# Altium PCB PcbBoard_last3.PcbDoc
Units mm, origin at the board's own origin, x right, y up, seen from the top; angles counter-clockwise.
Board outline 110 x 110 mm, 2 copper layers (Top Layer, Bottom Layer); 42 components, 38 nets, 215 pads, 81 vias.
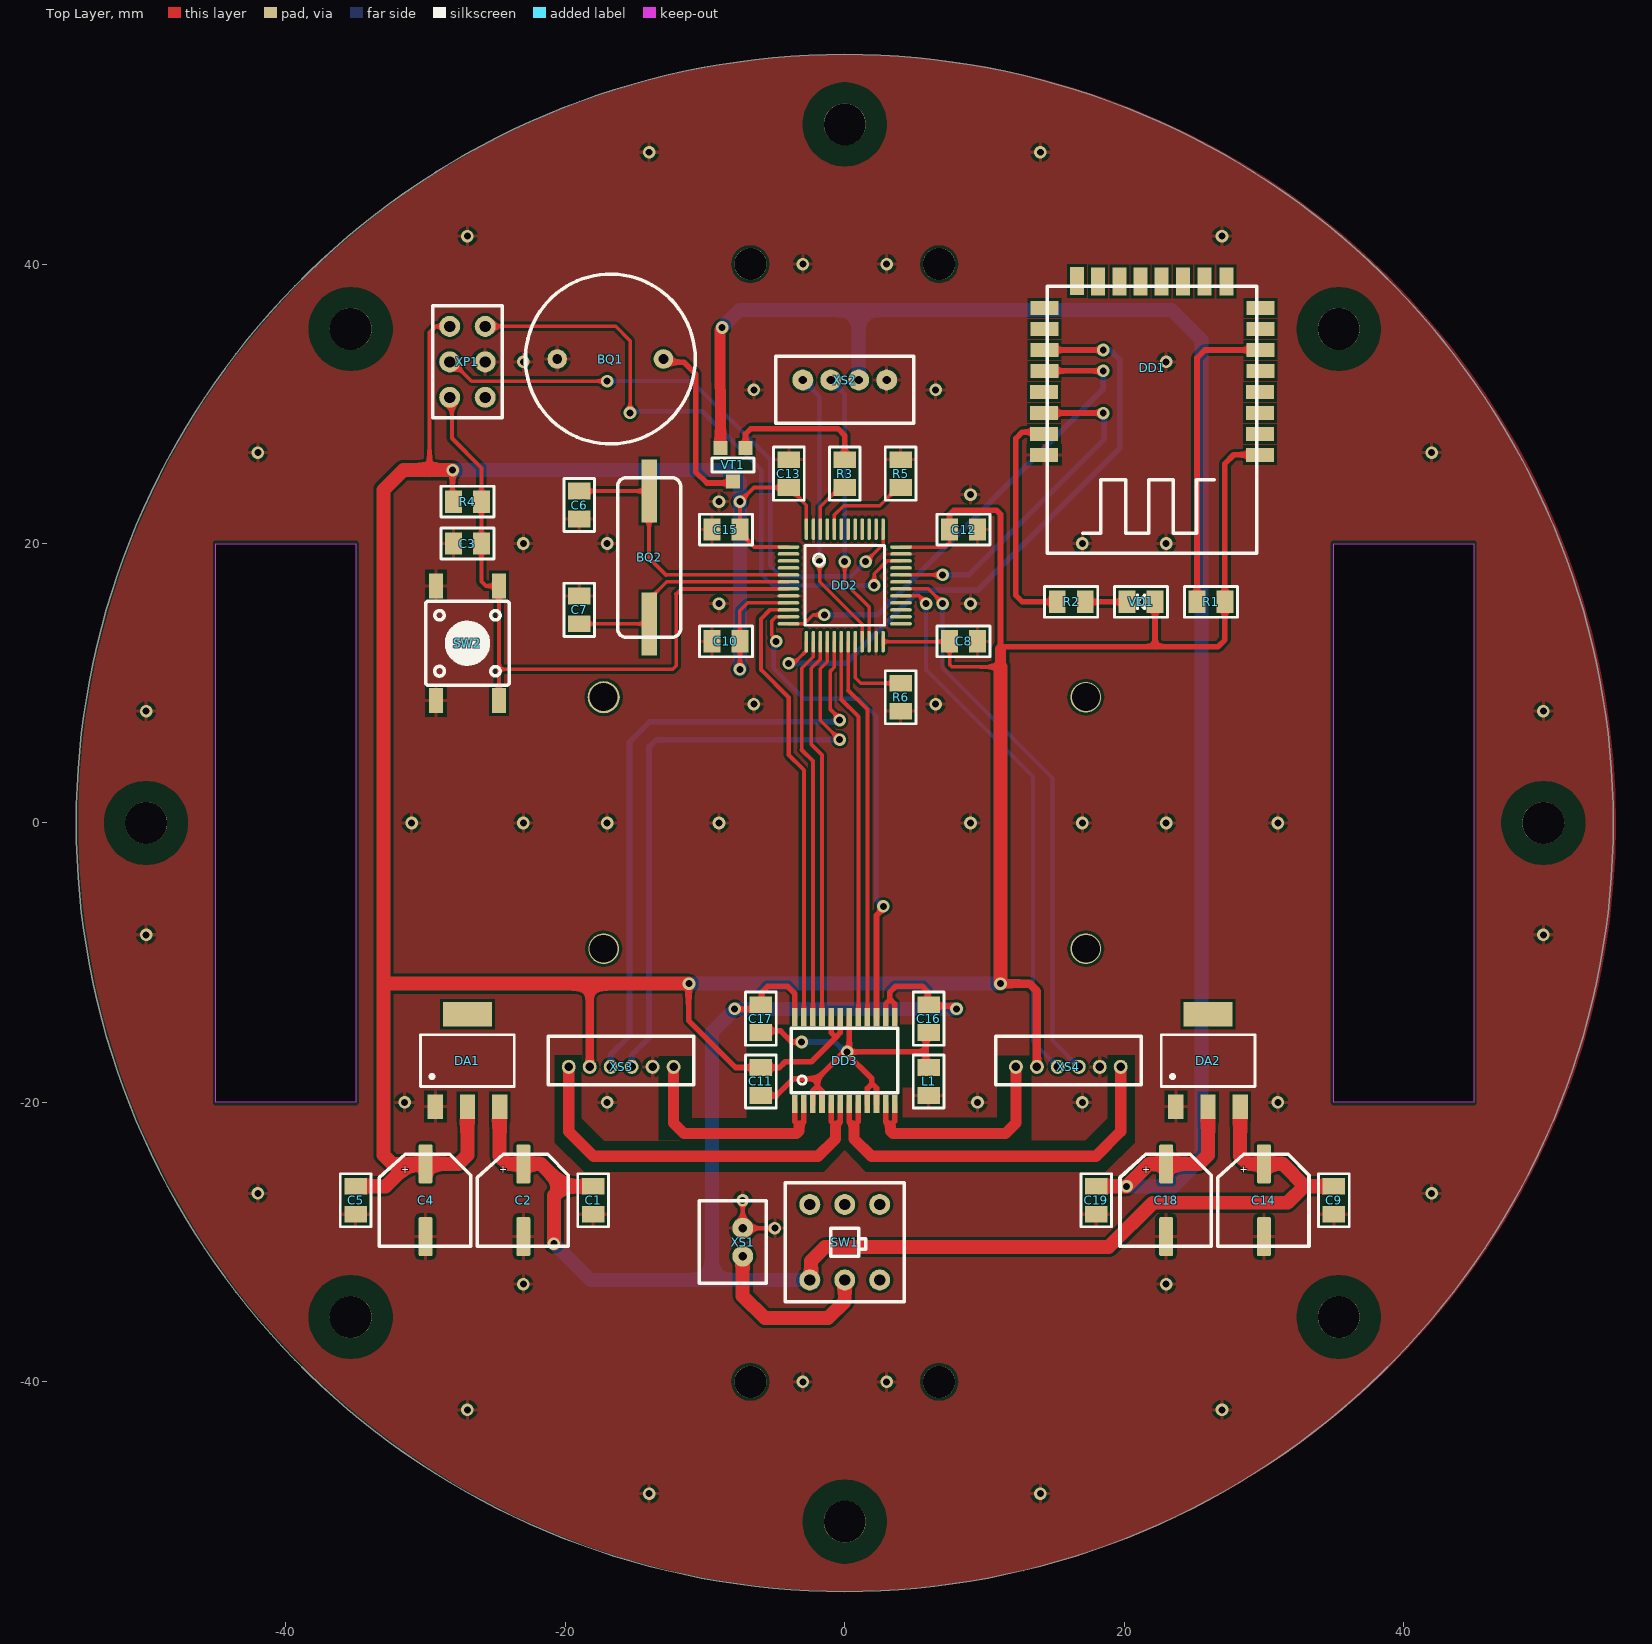
[diagram p0: Top Layer view]
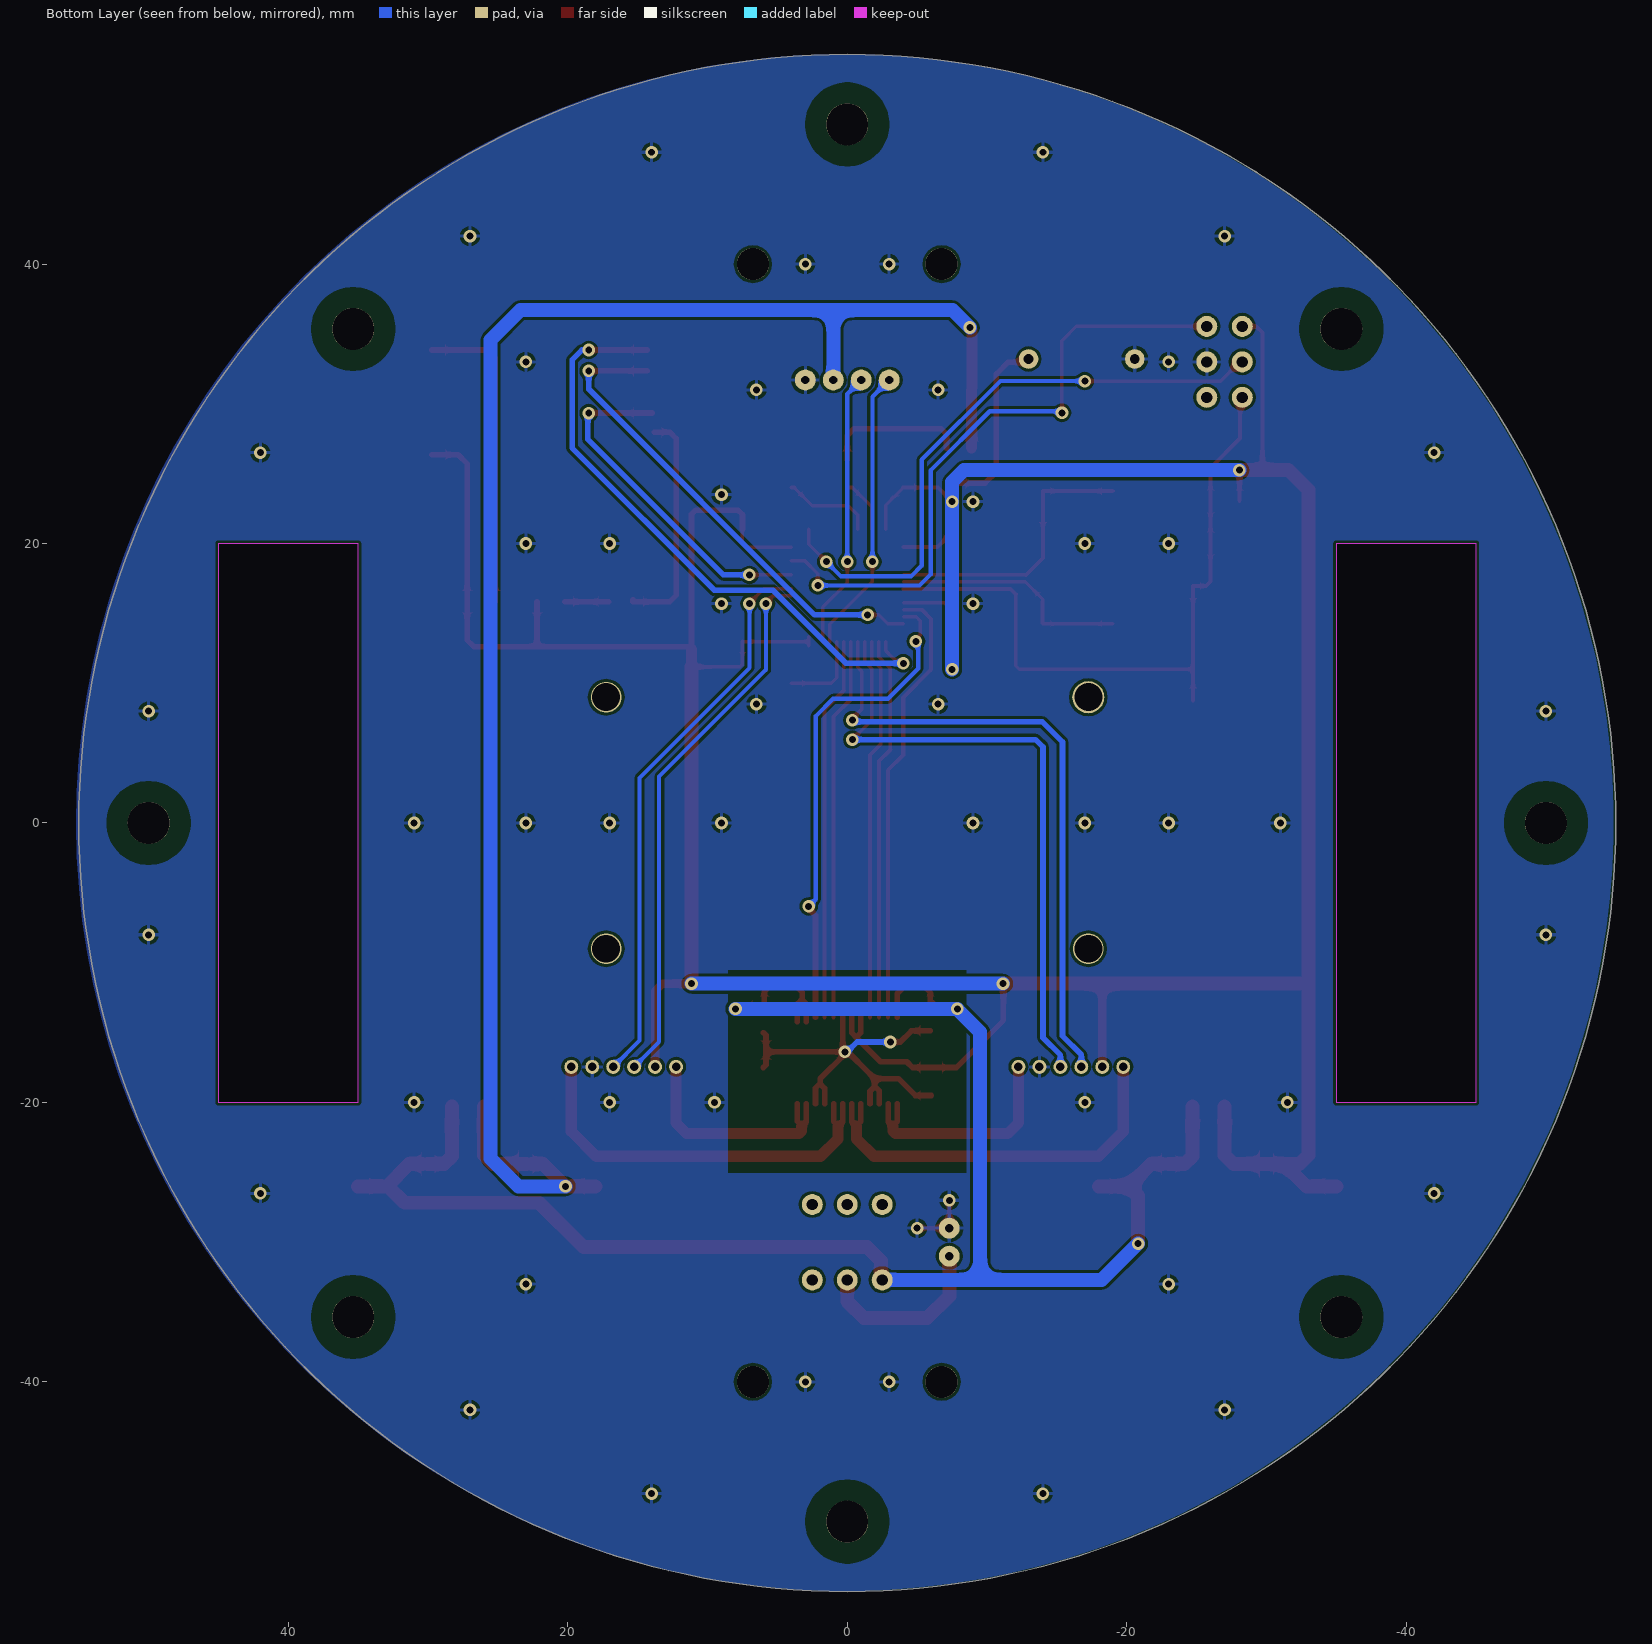
[diagram p1: Bottom Layer view, seen from below]
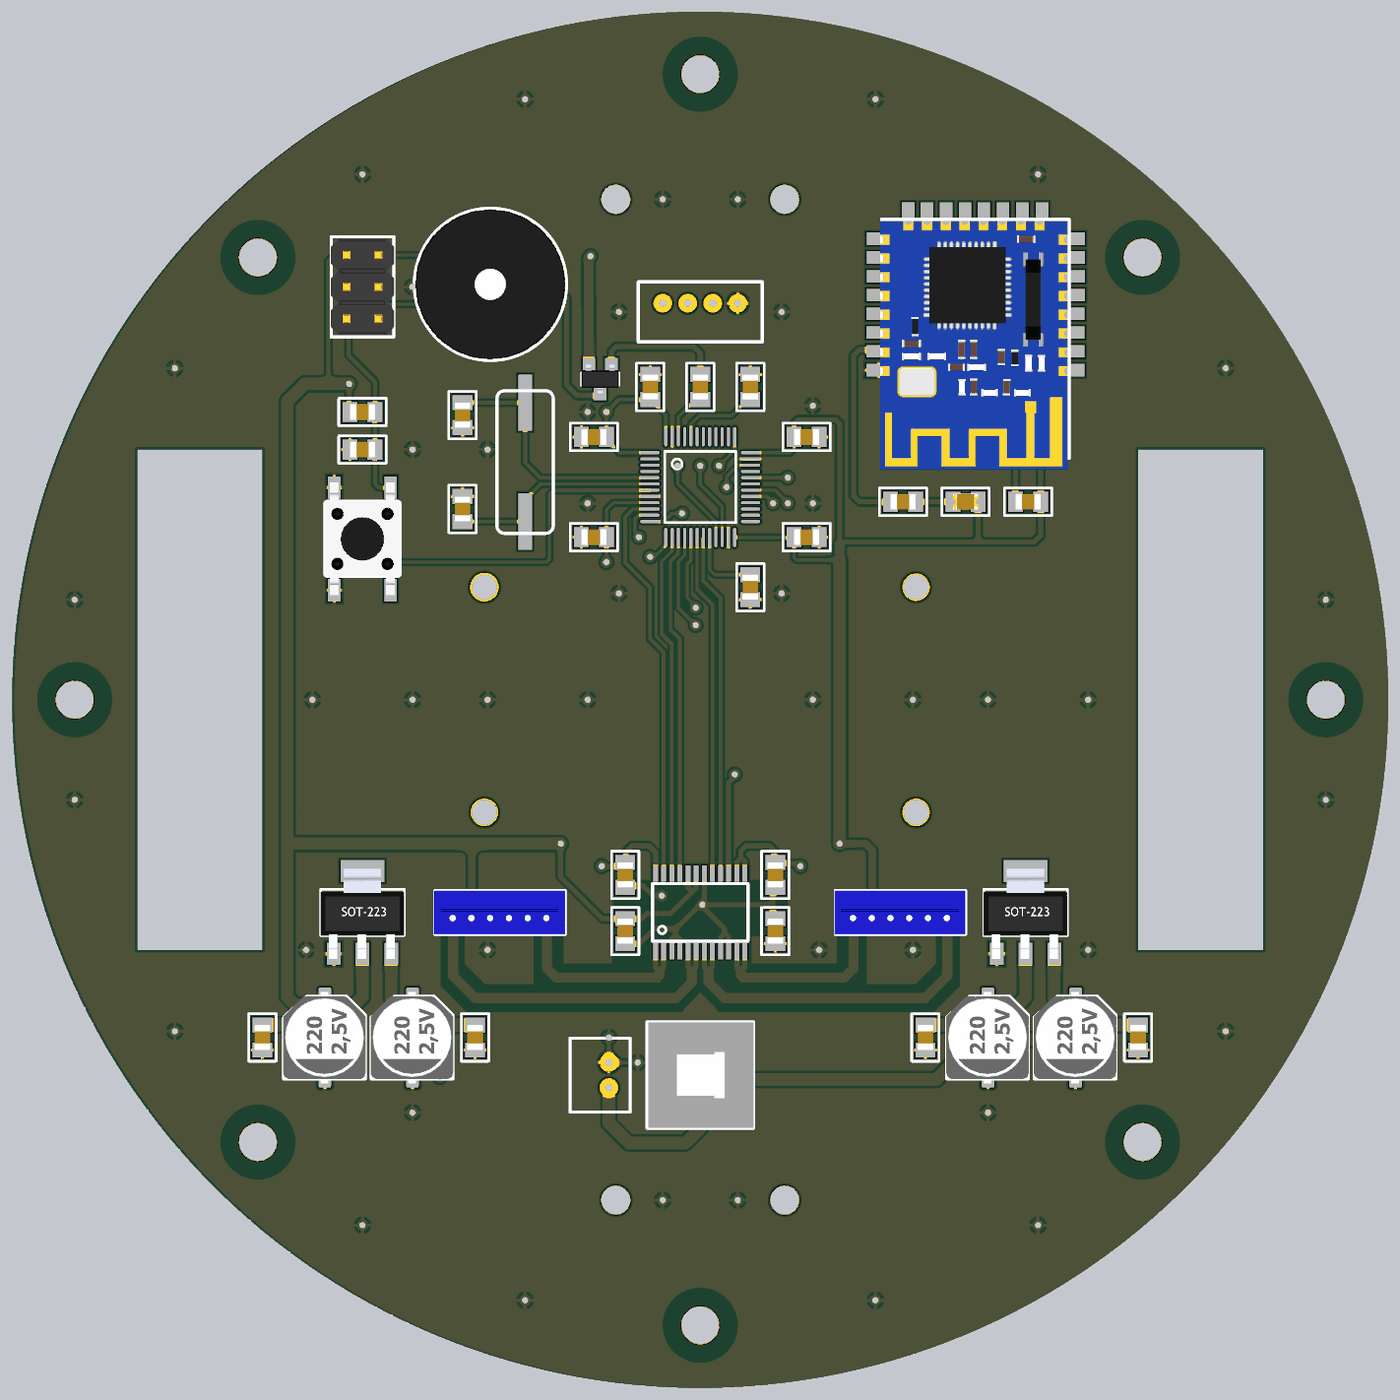
[diagram p2: 3D render of the assembled board from above, using the file's embedded part models]

## Layer stack, top to bottom
Top Solder: solder mask 0.0102, Solder Resist, Dk 3.5
Top Layer: signal copper 0.0356
Dielectric 1: dielectric 0.32, FR-4, Dk 4.8
Bottom Layer: signal copper 0.0356
Bottom Solder: solder mask 0.0102, Solder Resist, Dk 3.5

## Board outline
0,-55 cw(c0,0) -55,0 cw(c0,0) 0,55 cw(c0,0) 55,0 cw(c0,0)
cut-out: -45,-20 -45,20 -35,20 -35,-20
cut-out: 45,-20 35,-20 35,20 45,20

## Design rules (kind name [scope] priority, off if disabled: settings)
Clearance [All] p1: gap=0.2 ignorepadtopadclearanceinfootprint=FALSE
ComponentClearance [All] p1: gap=-1 collisioncheckmode=3 verticalgap=2540 showdistances=FALSE
PolygonConnect [All] p1: connectstyle=Relief reliefconductorwidth=0.254 reliefentries=4 polygonreliefangle="90 Angle" airgapwidth=0.254
RoutingVias [All] p1: holewidth=0.711 width=1.27 viastyle="Through Hole" minholewidth=0.711 minwidth=1.27 maxholewidth=0.711 maxwidth=1.27
SolderMaskExpansion [All] p1: expansion=0.102
Width [All] p1: maxlimit=1 minlimit=0.25 preferedwidth=0.3
29 further rules are at their usual default settings.

## Components (designator, comment, footprint, x,y, rotation, side; value= is the part's Value field where it differs from the comment)
BQ1 "" buzzer -12.974,33.204 r180 top
BQ2 "HC-49SM" HC-49SM -14,19 r270 top
C1 "SMD0805" SMD_0805 -18,-27 r90 top value=0.1мкФ
C2 "SMD JCK ECAP" "SMD JCK" -23,-27 r180 top value="220 мкФ"
C3 "SMD0805" SMD_0805 -27,20 r0 top value=0.1мкФ
C4 "SMD JCK ECAP" "SMD JCK" -30,-27 r180 top value="220 мкФ"
C5 "SMD0805" SMD_0805 -35,-27 r90 top value=0.1мкФ
C6 "SMD0805" SMD_0805 -19,22.75 r270 top value=22пФ
C7 "SMD0805" SMD_0805 -19,15.25 r90 top value=22пФ
C8 "SMD0805" SMD_0805 8.5,13 r180 top value=0.1мкФ
C9 "SMD0805" SMD_0805 35,-27 r90 top value=0.1мкФ
C10 "SMD0805" SMD_0805 -8.5,13 r0 top value=0.1мкФ
C11 "SMD0805" SMD_0805 -6,-18.5 r90 top value=0.1мкФ
C12 "SMD0805" SMD_0805 8.5,21 r180 top value=0.1мкФ
C13 "SMD0805" SMD_0805 -4,25 r270 top value=0.1мкФ
C14 "SMD JCK ECAP" "SMD JCK" 30,-27 r180 top value="220 мкФ"
C15 "SMD0805" SMD_0805 -8.5,21 r0 top value=1мкФ
C16 "SMD0805" SMD_0805 6,-14 r90 top value=0.1мкФ
C17 "SMD0805" SMD_0805 -6,-14 r90 top value=2.2мкФ
C18 "SMD JCK ECAP" "SMD JCK" 23,-27 r180 top value="220 мкФ"
C19 "SMD0805" SMD_0805 18,-27 r90 top value=0.1мкФ
DA1 "SOT223" SOT-223 -27,-17 r0 top
DA2 "SOT223" SOT-223 26,-17 r0 top
DD1 "JDY-08" JDY-08 22,29 r180 top
DD2 "STM32F103C8T6" LQFP48_L 0,17 r0 top
DD3 "SSOP24" SSOP24 0,-17 r90 top
L1 "BLM" SMD_0805 6,-18.5 r90 top
R1 "4,7кОм" SMD0805 26.206,15.827 r180 top
R2 "1кОм" SMD0805 16.206,15.827 r180 top
R3 "1кОм" SMD0805 0,25 r90 top
R4 "4.7кОм" SMD0805 -27,23 r0 top
R5 "4.7кОм" SMD0805 4,25 r270 top
R6 "4.7кОм" SMD0805 4,9 r90 top
SW1 "PS700L" KLS7-P 0,-30 r180 top
SW2 "SWITCH" KLS76x6x4.3 -27,12.863 r90 top
VD1 "LED" "SMD 0805" 21.206,15.827 r180 top
VT1 "PNP" SOT23 -8,25.627 r180 top
XP1 "PBD6" PLD6 -27,33 r270 top
XS1 "PORT" PH2.0-2P -8,-30 r90 top
XS2 "PH2.0-4P" PH2.0-4P 0,31 r180 top
XS3 "" ZR1.5-6P -16,-17 r0 top
XS4 "" ZR1.5-6P 16,-17 r0 top

## Footprints (in the part's own frame and the unit in brackets; to place one, negate y for a bottom-side part, rotate by r counter-clockwise, add the part's x,y. Pads: shape width x height; smd on the part's side, far side on the other; paste and mask are expansions set on the pad)
buzzer [mm]
  round 1.4 hole 0.7: 1(0,0) 2(7.6,0)
  silkscreen extent -2.28,-6.08 9.87,6.08, body extent -2.19,-6 9.81,6, height 9
HC-49SM [mm]
  rect 4.5x1.1 smd: 1(-4.75,0) 2(4.75,0)
  silkscreen extent -5.7,-2.25 5.7,2.25, body extent -6.2,-2.35 6.2,2.35, height 3.9
JDY-08 [mm]
  rect 2x1 smd: 1(-7.725,2.65) 2(-7.725,1.151) 3(-7.725,-0.351) 4(-7.725,-1.85) 5(-7.75,-3.35) 6(-7.75,-4.849) 7(-7.75,-6.351) 8(-7.75,-7.85) 17(7.7,-7.85) 18(7.7,-6.351) 19(7.7,-4.849) 20(7.7,-3.35) 21(7.725,-1.85) 22(7.725,-0.351) 23(7.725,1.151) 24(7.725,2.65)
  rect 1x2 smd: 9(-5.325,-9.75) 10(-3.75,-9.75) 11(-2.2,-9.75) 12(-0.675,-9.75) 13(0.825,-9.75) 14(2.35,-9.75) 15(3.875,-9.75) 16(5.375,-9.775)
  silkscreen extent -7.5,-9.4 7.51,9.7, body extent -7.39,-9.27 7.62,10.62, height 2.08
KLS7-P [mm]
  round 1.5 hole 0.8: 1(-2.5,2.7) 2(0,2.7) 3(2.5,2.7) 4(-2.5,-2.7) 5(0,-2.7) 6(2.5,-2.7)
  silkscreen extent -4.25,-4.25 4.25,4.25, body extent -4.29,-4.22 4.19,4.22, height 13.54
KLS76x6x4.3 [mm]
  rect 1.8x1 smd: 1(-4.1,2.25) 1(4.1,2.25) 2(-4.1,-2.25) 2(4.1,-2.25)
  silkscreen extent -3,-3 3,3, body extent -4.5,-3 4.5,3, height 4.3
LQFP48_L [mm] "QFP, 48-Leads, Body 7x7mm, Pitch 0.5mm, IPC High Density"
  oval 1.55x0.25 smd: 1(-4.025,2.75) 2(-4.025,2.25) 3(-4.025,1.75) 4(-4.025,1.25) 5(-4.025,0.75) 6(-4.025,0.25) 7(-4.025,-0.25) 8(-4.025,-0.75) 9(-4.025,-1.25) 10(-4.025,-1.75) 11(-4.025,-2.25) 12(-4.025,-2.75) 25(4.025,-2.75) 26(4.025,-2.25) 27(4.025,-1.75) 28(4.025,-1.25) 29(4.025,-0.75) 30(4.025,-0.25) 31(4.025,0.25) 32(4.025,0.75) 33(4.025,1.25) 34(4.025,1.75) 35(4.025,2.25) 36(4.025,2.75)
  oval 0.25x1.55 smd: 13(-2.75,-4.025) 14(-2.25,-4.025) 15(-1.75,-4.025) 16(-1.25,-4.025) 17(-0.75,-4.025) 18(-0.25,-4.025) 19(0.25,-4.025) 20(0.75,-4.025) 21(1.25,-4.025) 22(1.75,-4.025) 23(2.25,-4.025) 24(2.75,-4.025) 37(2.75,4.025) 38(2.25,4.025) 39(1.75,4.025) 40(1.25,4.025) 41(0.75,4.025) 42(0.25,4.025) 43(-0.25,4.025) 44(-0.75,4.025) 45(-1.25,4.025) 46(-1.75,4.025) 47(-2.25,4.025) 48(-2.75,4.025)
  silkscreen extent -2.85,-2.85 2.85,2.85, body extent -4.49,-4.49 4.49,4.49, height 1.6
PH2.0-2P [mm]
  round 1.5 hole 0.6: 1(-1,-0.7) 2(1,-0.7)
  silkscreen extent -2.95,-2.4 2.95,2.4, body extent -2.92,-2.41 2.98,2.09, height 6
PH2.0-4P [mm]
  round 1.5 hole 0.6: 1(-3,-0.7) 2(-1,-0.7) 3(1,-0.7) 4(3,-0.7)
  silkscreen extent -4.95,-2.4 4.95,2.4, body extent -4.95,-2.38 4.95,2.12, height 6
PLD6 [mm]
  round 1.5 hole 0.8: 1(-2.54,-1.27) 2(-2.54,1.27) 3(0,-1.27) 4(0,1.27) 5(2.54,-1.27) 6(2.54,1.27)
  silkscreen extent -4,-2.5 4,2.5, body extent -3.81,-2.54 3.81,2.54, height 8.7
SMD0805 [mm]
  rect 1.2x1.6 smd: 1(1,0) 2(-1,0)
  Top Layer pour cut-out: -0.4,1 0.4,1 0.4,-1 -0.4,-1
  silkscreen extent -1.9,-1.1 1.9,1.1, body extent -1,-0.63 1,0.62, height 1.01
"SMD 0805" [mm] "0805"
  rect 1.2x1.6 smd: 1(-1,0) 2(1,0)
  Top Layer pour cut-out: -0.4,1 0.4,1 0.4,-1 -0.4,-1
  silkscreen extent -1.9,-1.1 1.9,1.1, body extent -1,-0.63 1,0.62, height 1.1
"SMD JCK" [mm]
  rrect25% 1x2.8 smd: 1(0,-2.6) 2(0,2.6)
  silkscreen extent -3.22,-3.3 3.3,3.3, body extent -3.26,-3.93 3.34,3.66, height 5.9
SMD_0805 [mm]
  rect 1.2x1.6 smd: 1(-1,0) 2(1,0)
  Top Layer pour cut-out: -0.4,1 0.4,1 0.4,-1 -0.4,-1
  silkscreen extent -1.9,-1.1 1.9,1.1, body extent -1,-0.62 1,0.63, height 1.01
SOT23 [mm]
  rect 1x1 smd: 1(0.9,-1.2) 2(-0.9,-1.2) 3(0,1.2)
  Top Layer pour cut-out: -1.5,0.6 1.5,0.6 1.5,-0.6 -1.5,-0.6
  silkscreen extent -1.5,-0.5 1.5,0.5, body extent -1.5,-1.15 1.5,1.15, height 1.11
SOT-223 [mm] "SOT-223/SC-73; 4 Leads; Body 6.7 x 7.3 mm, inc. leads (LxW max)"
  rect 1.1x1.75 smd: 1(-2.3,-3.3) 2(0,-3.3) 3(2.3,-3.3)
  rect 3.5x1.75 smd: 4(0,3.3)
  silkscreen extent -3.35,-1.85 3.35,1.85, body extent -3.35,-3.7 3.35,3.5, height 1.85
SSOP24 [mm] "TB6612FNG"
  rect 1.3x0.4 smd: 1(-3.1,3.575) 2(-3.1,2.925) 3(-3.1,2.275) 4(-3.1,1.625) 5(-3.1,0.975) 6(-3.1,0.325) 7(-3.1,-0.325) 8(-3.1,-0.975) 9(-3.1,-1.625) 10(-3.1,-2.275) 11(-3.1,-2.925) 12(-3.1,-3.575) 13(3.1,-3.575) 14(3.1,-2.925) 15(3.1,-2.275) 16(3.1,-1.625) 17(3.1,-0.975) 18(3.1,-0.325) 19(3.1,0.325) 20(3.1,0.975) 21(3.1,1.625) 22(3.1,2.275) 23(3.1,2.925) 24(3.1,3.575)
  silkscreen extent -2.3,-3.81 2.3,3.82, body extent -3.27,-3.95 3.28,3.95, height 1.2
ZR1.5-6P [mm]
  round 1 hole 0.6: 1(3.75,-0.45) 2(2.25,-0.45) 3(0.75,-0.45) 4(-0.75,-0.45) 5(-2.25,-0.45) 6(-3.75,-0.45)
  silkscreen extent -5.21,-1.75 5.21,1.75, body extent -5.29,-1.75 5.21,1.75, height 4.5

## Part data
BQ1: library part HC-49SM
C1 C3 C5 C6 C7 C8 C9 C10 C11 C12 C13 C15 C16 C17 C19: "CAP"
DD2: I/Os (High Current)=37, Operating Frequency(F) (Processor speed) (MHz)=72, Supplier Part Number 1=497-6063-ND, Supply Voltage(Vcc) min (V)=2, A/D Converter="2x12-bit (10 Channel)", ComponentLink1Description="Manufacturer URL", ComponentLink1URL=http://www.st.com/web/en/home.html, ComponentLink2Description=Datasheet, ComponentLink2URL=http://www.st.com/st-web-ui/static/active/en/resource/technical/document/datasheet/CD00161566.pdf, ComponentLink3Description="Package Specification", ComponentLink3URL=http://www.st.com/st-web-ui/static/active/en/resource/technical/document/datasheet/DM00058181.pdf, Core="ARM Cortex-M3", DatasheetVersion="Rev. 16", FLASH Size (Prog) (kB)=64, Internal RAM Size (kB)=20, Mounting Technology="Surface Mount", PackageDescription="48-Pin Low Profile Quad Flat Package, 7 x 7 mm Body, 0.5 mm Pitch", PackageReference=LQFP48, PackageVersion="Rev. 6, 06/2013", Packing=Tray, PartNumber=STM32F103C8T6, Supplier 1=Digi-Key, Supplier 2=Farnell, Supplier 3=Newark, Supplier 4=Newark, Supplier 5=Mouser, Supplier Part Number 2=1447637, Supplier Part Number 3=59M2182, Supplier Part Number 4=57P1222, Supplier Part Number 5=511-STM32F103C8T6
L1: library part "SMD 0805"
R1 R2 R3 R4 R5 R6: library part SMD0805
SW1: library part KLS7, ComponentLink1Description=datasheet, ComponentLink1URL=https://static.chipdip.ru/lib/054/DOC000054735.pdf
VD1: library part "SMD 0805", Temperature=-55...+150°C, ValueManufacturerPartNumber="LED, *, *, *, -55...+150°C", TypeDiode=LED
XS1: library part PH2.0-2P, Parameter 1=+7.4В, Parameter 2=GND
XS3: library part PH1.5-6P_1
XS4: library part PH1.5-6P_2
DA1 DA2: ComponentLink1Description=Datasheet, ComponentLink1URL=https://static.chipdip.ru/lib/029/DOC001029248.pdf
DD1: ComponentLink1Description=Datasheet, ComponentLink1URL=http://www.farnell.com/datasheets/2236920.pdf
SW2: ComponentLink1Description=AliExpress, ComponentLink1URL=https://ru.aliexpress.com/item/10PCS-4-4-1-6mm-4x4x1-6H-SMD-push-button-switch-microswitch-Tact-Switch/32731081870.html?spm=a2g0s.9042311.0.0.250233edGDnBBV
VT1: Published=07.05.2013, Publisher="Andrew Danich", Type=Транзистор
XS2: P1=+5V, P2=RX, P3=TX, P4=GND

## Free pads (board coordinates)
  round 3 hole 3: 1(-50,0) 1(-35.356,-35.355) 1(-35.356,35.355) 1(0,-50) 1(0,50) 1(35.355,-35.355) 1(35.355,35.355) 1(50,0)
  round 2.2 hole 2: 1(-17.25,-9) 1(17.25,-9) 1(17.25,9)
  round 2.3 hole 2: 1(-17.25,9)
  round 2.3 hole 2.3: 1(-6.75,-40) 1(-6.75,40) 1(6.75,-40) 1(6.75,40)

## Via types
v1: diameter 0.9, hole 0.5, Top Layer to Bottom Layer, tented both sides, 81 vias

## Nets (pads, with @x,y where several pads share a name; then routed paths per layer and width w, separated by ;. In a path a pad name is that pad's centre, name@x,y a point inside that pad or via, vN(x,y) a via of type N, cw(c..) or ccw(c..) an arc to the next point about the centre after c; other vN are vias at no path point)
+3.3V: C4.1 C5.2 C8.2 C10.2 C11.2 C12.2 C13.2 C15.2 DA1.2 DD1.1 DD2.1 DD2.9 DD2.24 DD2.36 DD2.48 DD3.19 DD3.20 R1.2 R4.2 VD1.1 XP1.1 XS3.5 XS4.5 | length 303.3
  Top Layer w0.25: C10.2 -7.5,15.199 -6.949,15.75 DD2.9 ; C13.2 -2.75,22.75 DD2.48 ; DD2.24@2.75,12.672 DD2.24 ; DD2.24@2.75,13.328 DD2.24 ; DD2.36 7.205,19.75 7.5,20.045 C12.2 ; C8.2@7.493,12.975 DD2.24 ; C8.2 7.5,11.339 7.663,11.176 11.145,11.176
  Top Layer w0.3: -29.718,25.251 -29.718,35.091 -29.269,35.54 XP1.1 ; R4.2@-28.067,23.067 v1(-28.067,25.251) v1@-27.813,25.251 ; v1(-7.5,11) C10.2 ; v1(-7.5,23) C15.2 -7.5,20.8 -6.45,19.75 DD2.1 ; v1@-7.5,23.001 -6.501,24 C13.2
  Top Layer w0.4: -33.012,-11.307 -32.819,-11.5 ; v1@-11.176,-11.5 -11.176,-14.133 -7.809,-17.5 C11.2 -4.673,-17.5 -4.261,-17.088 -2.392,-17.088 -0.671,-15.367 -0.326,-15.022 DD3.19@-0.326,-13.751 ; DD3.20@-0.976,-13.751 -0.976,-15.006 -0.671,-15.311 ; C12.2 7.5,22.073 7.806,22.38 10.859,22.38 11.145,22.093 11.145,12.614 ; 11.145,12.454 11.145,12.614 ; VD1.1 22.206,12.614 ; DD1.1 27.84,26.35 27.206,25.716 R1.2 27.206,13.109 26.711,12.614 22.206,12.614 ; 11.145,12.614 22.206,12.614
  Top Layer w0.6: XS3.5 -18.25,-11.5 -18.25,-11.307 ; v1(11.145,-11.5) 13.213,-11.5 13.75,-12.037 XS4.5
  Top Layer w0.8: 11.145,11.176 11.145,12.454
  Top Layer w1: C5.2 -32.864,-26 -31.264,-24.4 ; -33.012,-11.307 -33.012,-23.274 ; -33.012,-11.276 -33.012,23.842 -31.581,25.273 ; -33,-23.285 -33.012,-23.274 ; -32.819,-11.5 -18.25,-11.5 v1@-11.176,-11.5 ; -31.559,25.251 -29.718,25.251 v1(-28.067,25.251) ; DA1.2 -27,-23.763 -27.637,-24.4 C4.1 -31.264,-24.4 ; v1(11.145,-11.5) 11.145,11.176 ; -33.012,-23.274 -33.012,-23.752 -32.363,-24.4 -31.264,-24.4
  Bottom Layer w1: v1(-28.067,25.251) -8.36,25.251 -7.5,24.391 v1(-7.5,23) v1(-7.5,11) ; v1(-11.145,-11.5) v1(11.145,-11.5)
+5V: C18.1 C19.2 DA2.2 VT1.1 XS2.2 | length 126.1
  Top Layer w0.3: v1@-8.927,35.304 v1(-8.774,35.458)
  Top Layer w0.8: v1@-8.927,35.304 VT1.1@-8.892,26.827 ; v1@-8.774,35.431 v1(-8.774,35.458)
  Top Layer w1: C19.2 v1(20.162,-26) 21.762,-24.4 C18.1@22.558,-24.4 ; C18.1 25.363,-24.4 26,-23.763 DA2.2
  Bottom Layer w1: v1(-8.774,35.458) -7.529,36.703 1,36.703 ; XS2.2 1,36.703 ; v1(20.162,-26) 23.53,-26 25.527,-24.003 25.527,34.569 23.393,36.703 1,36.703
+7.4V: C1.2 C2.1 C9.2 C14.1 C16.2 C17.2 DA1.3 DA2.3 DD3.13 DD3.14 DD3.24 SW1.3 | length 137.3
  Top Layer w0.4: v1@-7.874,-13.335 -6.589,-13.335 -6.127,-12.873 C17.2 ; C17.2@-5.949,-13 -5.949,-12.136 -5.497,-11.684 -4.1,-11.684 -3.575,-12.209 DD3.24 ; DD3.14@2.925,-14.213 DD3.14 2.925,-12.957 3.23,-12.652 ; DD3.13@3.575,-14.213 DD3.13 3.575,-12.942 3.23,-12.597 3.23,-12.101 3.647,-11.684 5.552,-11.684 5.933,-12.065 C16.2@5.933,-12.873 ; C16.2@5.949,-12.873 6.157,-13.081 v1@8,-13.081
  Top Layer w1: DA1.3 -24.7,-23.85 -24.15,-24.4 C2.1 ; C2.1@-22.559,-24.4 -21.737,-24.4 -20.137,-26 ; v1(-20.809,-30.099) -20.809,-26.672 -20.137,-26 ; C1.2 -20.137,-26 ; SW1.3 -2.404,-32.604 -2.404,-31.353 -1.405,-30.353 18.883,-30.353 22.058,-27.178 31.685,-27.178 32.863,-26 ; DA2.3 28.3,-23.85 28.85,-24.4 C14.1 ; C14.1@30.441,-24.4 31.349,-24.4 32.949,-26 C9.2
  Bottom Layer w1: v1(-20.809,-30.099) -18.208,-32.7 -9.512,-32.7 ; v1(-7.874,-13.3) v1(8,-13.3) ; v1@-7.856,-13.317 -9.512,-14.973 -9.512,-32.7 ; SW1.3 -9.512,-32.7
AGND: C11.1 C16.1 C17.1 DD3.3 DD3.4 DD3.9 DD3.10 DD3.18 L1.2 | length 34.3
  Top Layer w0.4: C11.1 -4.871,-19.5 -3.668,-18.296 -1.956,-18.296 ; C17.1@-5.949,-14.873 -4.594,-14.873 -3.794,-15.673 v1(-3.083,-15.673) ; DD3.3 -2.275,-19.157 -1.97,-18.852 -1.625,-19.197 DD3.4 ; -1.956,-18.811 -1.956,-18.296 ; DD3.18 0.325,-16.015 -1.956,-18.296 ; DD3.9 1.625,-18.991 1.93,-18.686 ; DD3.10 2.275,-18.991 ; 2.275,-18.975 1.93,-18.63 1.93,-18.287 0.172,-16.53 v1(0.172,-16.383) 0.325,-16.383 5.813,-16.383 ; L1.2 5.813,-17.313 5.813,-16.383 ; C16.1 5.813,-15.187 5.813,-16.383
  Bottom Layer w0.4: v1(-3.083,-15.673) -0.71,-15.673 0,-16.383 v1(0.172,-16.383)
AO1: DD3.1 DD3.2 XS3.1 | length 17.2
  Top Layer w0.4: DD3.1 -3.575,-21.356 -3.27,-21.661 ; -3.27,-21.716 -2.925,-21.371 DD3.2
  Top Layer w0.8: XS3.1 -12.25,-21.466 -11.492,-22.225 -3.445,-22.225 -3.27,-22.05 -3.27,-21.716
AO2: DD3.5 DD3.6 XS3.6 | length 29.3
  Top Layer w0.4: DD3.5 -0.975,-21.356 -0.67,-21.661 ; -0.67,-21.716 -0.325,-21.371 DD3.6
  Top Layer w0.8: XS3.6 -19.75,-22.075 -17.975,-23.85 -1.915,-23.85 -0.67,-22.605 -0.67,-21.716
BO1: DD3.11 DD3.12 XS4.6 | length 17.2
  Top Layer w0.4: DD3.11 2.925,-21.371 3.27,-21.716 ; 3.27,-21.661 3.575,-21.356 DD3.12
  Top Layer w0.8: 3.27,-21.716 3.27,-22.05 3.445,-22.225 11.491,-22.225 12.25,-21.466 XS4.6
BO2: DD3.7 DD3.8 XS4.1 | length 29.3
  Top Layer w0.4: DD3.7 0.325,-21.371 0.67,-21.716 ; 0.67,-21.661 0.975,-21.356 DD3.8
  Top Layer w0.8: 0.67,-21.716 0.67,-22.605 1.914,-23.85 17.974,-23.85 19.75,-22.075 XS4.1
BOOT: DD2.44 R5.1 | length 6.6
  Top Layer w0.25: DD2.44 -0.75,22.044 -0.083,22.711 2.511,22.711 R5.1@3.8,24
  Top Layer w0.3: R5.1@3.8,24 R5.1
GND: BQ1.2 C1.1 C2.2 C3.1 C4.2 C5.1 C6.2 C7.2 C8.1 C9.1 C10.1 C12.1 C13.1 C14.2 C15.1 C18.2 C19.1 DA1.1 DA2.1 DD1.24 DD2.8 DD2.23 DD2.35 DD2.47 L1.1 R5.2 R6.2 SW2.1 XP1.4 XS1.2 XS2.1 XS3.2 XS4.2 | length 4.5
  Top Layer w0.3: v1(-7.3,-27) XS1.2 v1@-4.826,-29
  other v1: -14,-48 14,-48 -27,-42 27,-42 -3,-40 3,-40 -23,-33 23,-33 -5,-29 -42,-26.5 42,-26.5 -31.5,-20 -17,-20 9.5,-20 17,-20 31,-20 -50,-8 50,-8 -31,0 -23,0 -17,0 -9,0 9,0 17,0 23,0 31,0 -50,8 50,8 -6.5,8.5 6.5,8.5 -9,15.7 9,15.7 -23,20 -17,20 17,20 23,20 -9,23 9,23.5 -42,26.5 42,26.5 -6.5,31 6.5,31 -23,33 23,33 -3,40 3,40 -27,42 27,42 -14,48 14,48
"In 7.4V": SW1.2 XS1.1 | length 12.8
  Top Layer w1: XS1.1 -7.3,-33.841 -5.708,-35.433 -1.19,-35.433 0,-34.243 SW1.2
NetBQ1_1: BQ1.1 VT1.3 | length 12.9
  Top Layer w0.4: BQ1.1@-13.209,32.969 -11.506,32.969 -10.668,32.131 -10.668,25.127 -9.871,24.33 VT1.3@-8,24.33
NetDD1_6: DD1.6 R1.1 | length 22.2
  Top Layer w0.4: R1.1 25.206,33.29 25.765,33.849 DD1.6
NetDD1_23: DD1.23 R2.1 | length 16.5
  Top Layer w0.4: DD1.23@13.826,27.976 12.7,27.976 12.25,27.526 12.25,16.289 12.717,15.822 15.176,15.822 15.331,15.977 R2.1@15.331,15.827
NetDD2_46: DD2.46 R3.2 | length 3.9
  Top Layer w0.25: DD2.46 -1.75,22.625 R3.2@-0.375,24
  Top Layer w0.3: R3.2@-0.375,24 R3.2
NetR2_2: R2.2 VD1.2 | length 3.1
  Top Layer w0.4: R2.2@17.081,15.827 VD1.2
NetR3_1: R3.1 VT1.2 | length 10.2
  Top Layer w0.4: VT1.2 -7.1,27.845 -6.719,28.226 -0.496,28.226 0,27.73 R3.1
NRST: C3.2 DD2.7 R4.1 SW2.2 XP1.5 | length 49.9
  Top Layer w0.25: R4.1@-25.997,22.969 R4.1@-25.986,22.994 ; -24.75,11 -12.312,11 -12.053,11.259 -12.053,16.385
  Top Layer w0.3: XP1.5 -28.117,30.307 -28.117,27.535 -25.997,25.415 R4.1@-25.997,22.969 ; R4.1 C3.2 -26,17.28 -25.683,16.963 -24.75,16.963 -24.75,11 SW2.2@-24.75,8.763 ; -12.053,16.385 -11.688,16.75 DD2.7
PA0-PWMA: DD2.10 DD3.23 | length 32
  Top Layer w0.25: -5.381,15.25 DD2.10@-4.05,15.25
  Top Layer w0.3: -5.381,15.225 -6,14.606 -6,10.972 -4.01,8.982 -4.01,4.863 -2.925,3.778 DD3.23
PA1-PWMB: DD2.11 DD3.15 | length 35.5
  Top Layer w0.25: v1@-4.909,13.146 -5.233,13.47 -5.233,14.458 -4.941,14.75 DD2.11
  Top Layer w0.4: DD3.15 2.275,-6.615 2.758,-6.131 v1(2.758,-5.969)
  Bottom Layer w0.3: v1(-4.909,13) -5.08,12.829 -5.08,11.049 -2.921,8.89 1.016,8.89 2.25,7.656 2.25,-5.461 v1(2.758,-5.969)
PA2: DD1.20 DD2.12 | length 35
  Top Layer w0.25: DD2.12 -2.901,14.25 -2.26,14.891 v1(-1.452,14.891)
  Top Layer w0.4: DD1.20 v1(18.5,32.35)
  Bottom Layer w0.4: v1(-1.452,14.891) 2.337,14.891 18.5,31.054 v1(18.5,32.35)
PA3: DD1.19 DD2.13 | length 44.3
  Top Layer w0.25: v1(-4.01,11.43) -3.645,11.43 -2.75,12.325 DD2.13
  Top Layer w0.4: DD1.19 v1(18.5,33.849)
  Bottom Layer w0.4: v1(-4.01,11.43) 0.096,11.43 5.32,16.654 9.506,16.654 19.685,26.833 19.685,33.147 18.983,33.849 v1(18.5,33.849)
PA4-AIN2: DD2.14 DD3.22 | length 27.6
  Top Layer w0.25: -3.083,5.242 -3.083,11.061 -2.25,11.894 DD2.14
  Top Layer w0.3: -3.083,5.242 -2.275,4.435 DD3.22
PA5-AIN1: DD2.15 DD3.21 | length 27.5
  Top Layer w0.25: -2.389,5.627 -2.389,11.06 -1.75,11.7 DD2.15
  Top Layer w0.3: -2.389,5.627 -1.625,4.863 DD3.21
PA6: DD2.16 XS3.3 | length 45.3
  Top Layer w0.25: DD2.16 -1.25,11.528 -1.75,11.028 -1.75,7.354 v1(-0.365,5.969)
  Bottom Layer w0.4: XS3.3 -15.25,-16.611 -14.006,-15.367 -14.006,5.437 -13.474,5.969 v1(-0.365,5.969) -0.365,5.876 v1@-0.49,5.751
PA7: DD2.17 XS3.4 | length 45.3
  Top Layer w0.25: DD2.17 -0.75,11.139 -1.052,10.837 -1.052,8.156 v1@-0.365,7.47
  Top Layer w0.4: v1(-0.365,7.358) v1@-0.365,7.47
  Bottom Layer w0.4: XS3.4 -16.75,-16.587 -15.403,-15.24 -15.403,5.793 -13.962,7.234 v1@-0.49,7.234
PA8: DD2.29 XS4.4 | length 39.3
  Top Layer w0.25: DD2.29 5.32,16.25 v1@5.822,15.748
  Bottom Layer w0.3: v1@5.822,15.957 v1(5.822,15.7) 5.822,10.971 13.462,3.331 13.462,-15.662 XS4.4
PA9: DD2.30 XS4.3 | length 40.7
  Top Layer w0.25: DD2.30 5.983,16.75 v1@7.017,15.716
  Bottom Layer w0.3: v1@6.985,15.748 6.985,11.104 14.859,3.23 14.859,-15.559 XS4.3
  other v1: 7,15.7
PA11: DD1.22 DD2.32 | length 24.9
  Top Layer w0.25: DD2.32 v1(7,17.75)
  Top Layer w0.4: DD1.22@13.967,29.337 v1@18.379,29.337
  Bottom Layer w0.4: v1@7.072,17.75 8.86,17.75 18.561,27.451 18.561,29.155 v1@18.379,29.337
  other v1: 18.5,29.337
PB0-BIN1: DD2.18 DD3.17 | length 27.4
  Top Layer w0.25: -0.25,8.848 DD2.18
  Top Layer w0.3: -0.25,8.848 0.99,7.609 0.99,-13.885 DD3.17
PB1-BIN2: DD2.19 DD3.16 | length 27.4
  Top Layer w0.25: DD2.19@0.237,12.975 0.237,9.505 0.25,9.493
  Top Layer w0.3: 0.25,9.493 1.625,8.118 DD3.16
PB2: DD2.20 R6.1 | length 6
  Top Layer w0.25: DD2.20 0.75,10.404 1.154,10 R6.1
PB10: DD2.21 XS2.4 | length 20.5
  Top Layer w0.25: v1(-1.8,18.7) -1.8,17.273 1.25,14.223 DD2.21
  Bottom Layer w0.3: XS2.4@-2.999,31.701 -1.8,30.502 v1(-1.8,18.7)
PB11: DD2.22 XS2.3 | length 19.9
  Top Layer w0.25: v1(0,18.7) 0,17.205 1.75,15.455 DD2.22
  Bottom Layer w0.3: XS2.3 0,30.7 v1(0,18.7)
PD0: BQ2.1 C6.1 DD2.5 | length 20.3
  Top Layer w0.25: -12.788,17.75 DD2.5
  Top Layer w0.3: C6.1 BQ2.1 -14,18.962 -12.788,17.75
PD1: BQ2.2 C7.1 DD2.6 | length 18.8
  Top Layer w0.25: C7.1 BQ2.2 -14,15.999 -12.749,17.25 DD2.6 ; BQ2.2@-13.957,14.293 BQ2.2@-13.957,15.877
SWCLK: DD2.37 XP1.3 | length 44
  Top Layer w0.25: XP1.3 -28.085,33 -26.708,31.623 v1(-17,31.623) ; v1(1.5,18.7) 2.748,19.948 DD2.37@2.748,21.023
  Bottom Layer w0.3: v1@-17.145,31.623 v1(-17,31.623) -10.958,31.623 -5.334,25.999 -5.334,18.415 -4.572,17.653 0.453,17.653 v1(1.5,18.7)
SWDIO: DD2.34 XP1.2 | length 46.1
  Top Layer w0.25: XP1.2 -16.384,35.54 -15.367,34.523 v1(-15.367,29.351) ; v1@2.117,17 2.117,17.845 3.021,18.75 DD2.34
  Bottom Layer w0.3: v1@-15.367,29.464 -10.196,29.464 -5.969,25.237 -5.969,17.789 -5.18,17 v1(2.1,17)
pads on no net: DA1.4 DA2.4 DD1.2 DD1.3 DD1.4 DD1.5 DD1.7 DD1.8 DD1.9 DD1.10 DD1.11 DD1.12 DD1.13 DD1.14 DD1.15 DD1.16 DD1.17 DD1.18 DD1.21 DD2.2 DD2.3 DD2.4 DD2.25 DD2.26 DD2.27 DD2.28 DD2.31 DD2.33 DD2.38 DD2.39 DD2.40 DD2.41 DD2.42 DD2.43 DD2.45 SW1.1 SW1.4 SW1.5 SW1.6 XP1.6

## Polygon pours and split planes (outlines as drawn)
GND on Top Layer "Top Layer-GND" (solid, pour order 24): 53.184,14.685 cw(c0.161,0.043) 0.171,-54.964 cw(c0.161,0.016) -54.82,0.027 cw(c0.181,0.016) 0.171,55.018 cw(c0.181,0.005) 52.862,15.85
no net on Top Layer "Top Layer-No Net 2" (solid, pour order 38): -0.163,54.991
AGND on Top Layer "Top Layer-AGND" (solid, pour order 20): -3.766,-16.002
no net on Top Layer "Top Layer-No Net" (solid, pour order 14): -27.868,27.124
no net on Top Layer "Top Layer-No Net 1" (solid, pour order 12): -34.417,32.385
AGND on Top Paste (solid): -7.62,-17.145
GND on Bottom Layer "Top Layer-GND" (solid, pour order 40): 53.184,14.685 cw(c0.161,0.043) 0.171,-54.964 cw(c0.161,0.016) -54.82,0.027 cw(c0.181,0.016) 0.171,55.018 cw(c0.181,0.005) 52.862,15.85

## Other copper
Top Layer:
  pour cut-out: 38.355,-35.355 cw(c35.355,-35.355) 35.355,-38.355 cw(c35.355,-35.355) 32.355,-35.355 cw(c35.355,-35.355) 35.355,-32.355 cw(c35.355,-35.355)
  pour cut-out: 3,-50 cw(c0,-50) 0,-53 cw(c0,-50) -3,-50 cw(c0,-50) 0,-47 cw(c0,-50)
  pour cut-out: -32.356,-35.355 cw(c-35.356,-35.355) -35.356,-38.355 cw(c-35.356,-35.355) -38.356,-35.355 cw(c-35.356,-35.355) -35.356,-32.355 cw(c-35.356,-35.355)
  pour cut-out: -47,0 cw(c-50,0) -50,-3 cw(c-50,0) -53,0 cw(c-50,0) -50,3 cw(c-50,0)
  pour cut-out: -32.356,35.355 cw(c-35.356,35.355) -35.356,32.355 cw(c-35.356,35.355) -38.356,35.355 cw(c-35.356,35.355) -35.356,38.355 cw(c-35.356,35.355)
  pour cut-out: 3,50 cw(c0,50) 0,47 cw(c0,50) -3,50 cw(c0,50) 0,53 cw(c0,50)
  pour cut-out: 38.355,35.355 cw(c35.355,35.355) 35.355,32.355 cw(c35.355,35.355) 32.355,35.355 cw(c35.355,35.355) 35.355,38.355 cw(c35.355,35.355)
  pour cut-out: 53,0 cw(c50,0) 50,-3 cw(c50,0) 47,0 cw(c50,0) 50,3 cw(c50,0)
  pour cut-out: 13.334,-16.65 10.921,-16.65 10.921,-21.082 4.099,-21.082 4.099,-19.375 3.975,-19.25 2.65,-19.25 2.586,-20.95 2.121,-20.95 2.121,-22.733 13.334,-22.733
  pour cut-out: 20.742,-16.637 18.833,-16.637 18.833,-21.124 17.223,-22.733 2.121,-22.733 2.121,-20.95 0,-20.95 0,-23.368 1.51,-24.976 18.644,-24.976 20.742,-22.878
  pour cut-out: -7,-14.4 -7,-20.3 4.099,-20.3 4.099,-18.9 7,-18.9 7,-14.4
  pour cut-out: -6.935,-20.365
  pour cut-out: -13.335,-16.65 -10.922,-16.65 -10.922,-21.082 -7.052,-21.082 -7.052,-19.25 -2.651,-19.25 -2.587,-20.95 -2.122,-20.95 -2.122,-22.733 -13.335,-22.733
  pour cut-out: -17.639,-23.114
  pour cut-out: -20.743,-16.637 -18.833,-16.637 -18.833,-21.124 -17.224,-22.733 -2.122,-22.733 -2.122,-20.95 0,-20.95 0,-23.368 -1.511,-24.976 -18.645,-24.976 -20.743,-22.878
Bottom Layer:
  pour cut-out: 38.355,35.355 cw(c35.355,35.355) 35.355,32.355 cw(c35.355,35.355) 32.355,35.355 cw(c35.355,35.355) 35.355,38.355 cw(c35.355,35.355)
  pour cut-out: 3,50 cw(c0,50) 0,47 cw(c0,50) -3,50 cw(c0,50) 0,53 cw(c0,50)
  pour cut-out: -32.356,35.355 cw(c-35.356,35.355) -35.356,32.355 cw(c-35.356,35.355) -38.356,35.355 cw(c-35.356,35.355) -35.356,38.355 cw(c-35.356,35.355)
  pour cut-out: -47,0 cw(c-50,0) -50,-3 cw(c-50,0) -53,0 cw(c-50,0) -50,3 cw(c-50,0)
  pour cut-out: -32.356,-35.355 cw(c-35.356,-35.355) -35.356,-38.355 cw(c-35.356,-35.355) -38.356,-35.355 cw(c-35.356,-35.355) -35.356,-32.355 cw(c-35.356,-35.355)
  pour cut-out: 3,-50 cw(c0,-50) 0,-53 cw(c0,-50) -3,-50 cw(c0,-50) 0,-47 cw(c0,-50)
  pour cut-out: 53,0 cw(c50,0) 50,-3 cw(c50,0) 47,0 cw(c50,0) 50,3 cw(c50,0)
  pour cut-out: 38.355,-35.355 cw(c35.355,-35.355) 35.355,-38.355 cw(c35.355,-35.355) 32.355,-35.355 cw(c35.355,-35.355) 35.355,-32.355 cw(c35.355,-35.355)
  pour cut-out: -8.5,-10.541 8.5,-10.541 8.5,-25.019 -8.5,-25.019

## Silkscreen, mask and mechanical layers (free items; w line width, h text height)
Mechanical 1:
  circle w0.254: c0,0 r55
  lines w0.254: -45.085,-20.066 -45.085,20.066 -34.925,20.066 -34.925,-20.066 -45.085,-20.066 ; 34.925,-20.066 45.085,-20.066 45.085,20.066 34.925,20.066 34.925,-20.066

## Text inside footprints (layer, text, board x,y; h text height)
C2: Top Overlay "+" at -24.15,-24.6 h0.5 r180
C4: Top Overlay "+" at -31.15,-24.6 h0.5 r180
C14: Top Overlay "+" at 28.85,-24.6 h0.5 r180
C18: Top Overlay "+" at 21.85,-24.6 h0.5 r180